# Altium PCB VJ111.PcbDoc
Units mm, origin at the board's own origin, x right, y up, seen from the top; angles counter-clockwise.
Board outline 100 x 22 mm, 2 copper layers (Top Layer, Bottom Layer); 30 components, 28 nets, 168 pads, 30 vias.
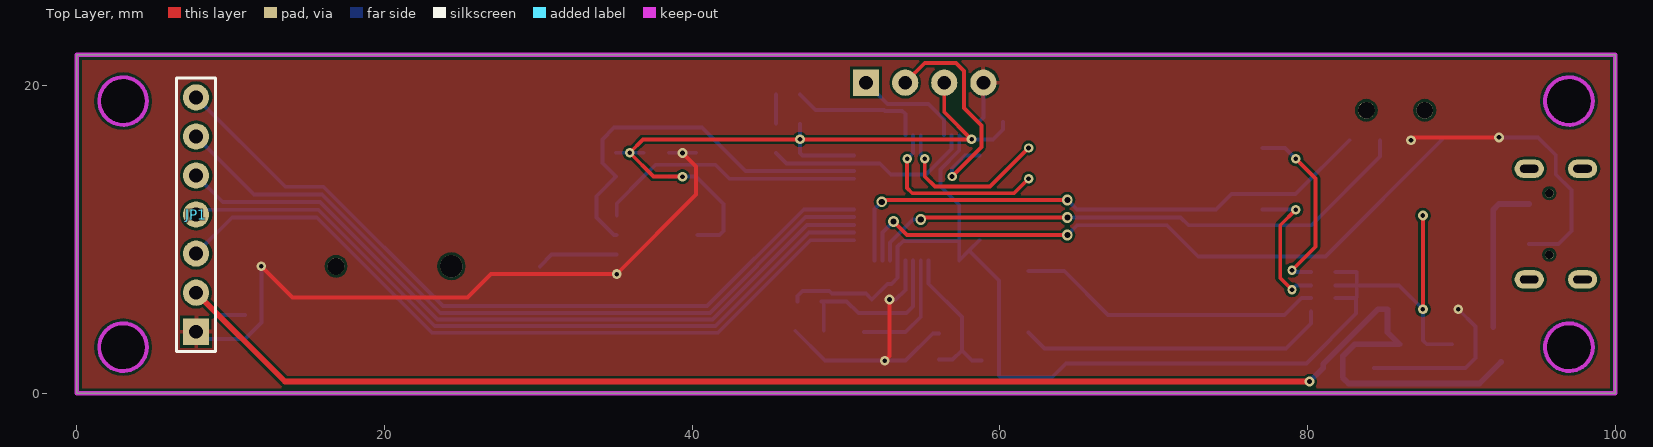
[diagram p0: Top Layer view]
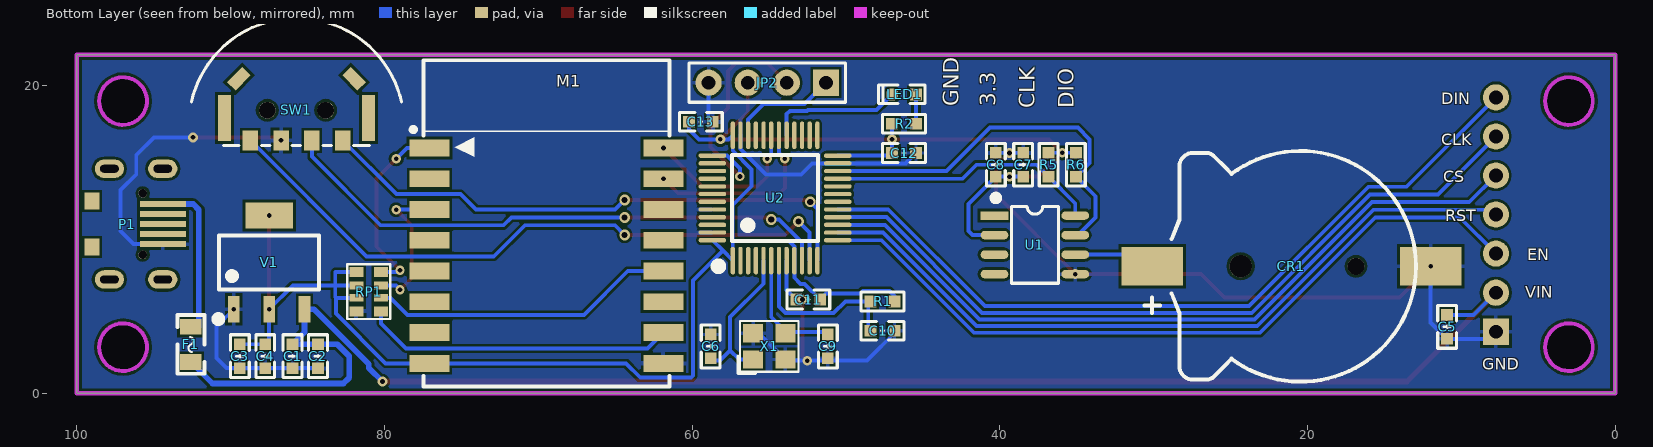
[diagram p1: Bottom Layer view, seen from below]

## Layer stack, top to bottom
Top Solder: solder mask 0.0102, Solder Resist, Dk 3.5
Top Layer: signal copper 0.0356
Dielectric 1: dielectric 0.32, FR-4, Dk 4.8
Bottom Layer: signal copper 0.0356
Bottom Solder: solder mask 0.0102, Solder Resist, Dk 3.5

## Board outline
0,0 100,0 100,22 0,22

## Design rules (kind name [scope] priority, off if disabled: settings)
Clearance [All] p1: gap=0.178 ignorepadtopadclearanceinfootprint=FALSE except(0: Arc-Hole Track-Hole SMDPad-Hole THPad-Hole Via-Hole Fill-Hole Poly-Hole Region-Hole Text-Hole)
DiffPairsRouting [All] p1: maxlimit=0.254 minlimit=0.254 mostfreqgap=0.254 toplayer_minwidth=0.254 toplayer_maxwidth=0.381 toplayer_prefwidth=0.381 bottomlayer_minwidth=0.254 bottomlayer_maxwidth=0.381 bottomlayer_prefwidth=0.381 maxuncoupledlength=12.7
PolygonConnect PolygonConnect_2 [(InComponentClass('All Components'))] p1: connectstyle=Relief reliefconductorwidth=0.254 reliefentries=4 polygonreliefangle="90 Angle" airgapwidth=0.178
PolygonConnect PolygonConnect_1 [All] p2: connectstyle=Direct reliefconductorwidth=0.254 reliefentries=4 polygonreliefangle="90 Angle" airgapwidth=0.254
PolygonConnect [All] p3: connectstyle=Relief reliefconductorwidth=0.254 reliefentries=4 polygonreliefangle="90 Angle" airgapwidth=0.254
RoutingVias [All] p1: holewidth=0.3 width=0.6 viastyle="Through Hole" minholewidth=0.3 minwidth=0.6 maxholewidth=0.4 maxwidth=0.7
SolderMaskExpansion [All] p1: expansion=0.102
Width [All] p1: maxlimit=1.27 minlimit=0.254 preferedwidth=0.254
29 further rules are at their usual default settings.

## Components (designator, comment, footprint, x,y, rotation, side; value= is the part's Value field where it differs from the comment)
C1 "0.1uf" "C 0603_L" 85.979,2.413 r90 bottom
C2 "10uf" "C 0603_L" 84.328,2.413 r90 bottom
C3 "0.1uf" "C 0603_L" 89.408,2.413 r90 bottom
C4 "10uf" "C 0603_L" 87.757,2.413 r90 bottom
C5 "0.1uf" "C 0603_L" 10.922,4.318 r270 bottom
C6 "22pF" "C 0603_L" 58.801,3.048 r270 bottom
C7 "0.1uf" "C 0603_L" 38.481,14.859 r270 bottom
C8 "10uf" "C 0603_L" 40.259,14.859 r270 bottom
C9 "22pF" "C 0603_L" 51.181,3.048 r90 bottom
C10 "1uf" "C 0603_L" 47.625,4.064 r0 bottom
C11 "0.1uf" "C 0603_L" 52.451,6.096 r180 bottom
C12 "0.1uf" "C 0603_L" 46.228,15.621 r0 bottom
C13 "0.1uf" "C 0603_L" 59.436,17.653 r0 bottom
CR1 "1220" CR1220_A 20.447,8.255 r0 bottom
F1 "6V 0.5A" "FU 0805" 92.583,3.175 r270 bottom
JP1 "HDR-1X7" HDR2.54-LI-7P 7.75,11.62 r90 top
JP2 "HDR-1X4" HDR2.54-LI-4P 55.118,20.193 r0 bottom
LED1 "冰蓝" "LED 0603B" 46.228,19.431 r0 bottom
M1 "ESP8266-07" ESP-07 69.469,11.049 r180 bottom
P1 "microUSB" microUSB 94.666,11 r270 bottom
R1 "10K" "R 0603_L" 47.625,5.969 r180 bottom
R2 "1K" "R 0603_L" 46.228,17.526 r0 bottom
R5 "10K" "R 0603_L" 36.83,14.859 r90 bottom
R6 "10K" "R 0603_L" 35.052,14.859 r90 bottom
RP1 "4.7K" RCA-8P4R-0603 81.026,6.604 r270 bottom
SW1 "SLLB5" SLLB510100 85.725,17.399 r180 bottom
U1 "DS3231M+" SOP8_N 37.719,9.652 r180 bottom
U2 "STM32F103C8" "LQFP48 7X7_N" 54.61,12.7 r180 bottom
V1 "AMS1117-3V3" SOT223_L 87.503,8.509 r180 bottom
X1 "8M" "OSC 3225-4P" 54.991,3.048 r180 bottom

## Footprints (in the part's own frame and the unit in brackets; to place one, negate y for a bottom-side part, rotate by r counter-clockwise, add the part's x,y. Pads: shape width x height; smd on the part's side, far side on the other; paste and mask are expansions set on the pad)
"C 0603_L" [mil] "无极性贴片电容"
  rect 30x30 smd: 1(-30.59,0) 2(30.59,0)
  silkscreen extent -55,-24 55,24, body extent -31,-16 31,16, height 32
CR1220_A [mm] "纽扣电池座"
  round 1.1 hole 1.1: 0(-3.6,0)
  round 1.45 hole 1.45: 0(3.9,0)
  rect 4x2.5 smd: 1(9.652,0) 2(-8.458,0)
  silkscreen extent -7.5,-7.5 10.16,7.5, body extent -9.42,-7.45 10.34,7.45, height 4.05
ESP-07 [mm] "ESP-07"
  rect 2.6x1.1 smd: 1(-7.6,4.9) 2(-7.6,2.9) 3(-7.6,0.9) 4(-7.6,-1.1) 5(-7.6,-3.1) 6(-7.6,-5.1) 7(-7.6,-7.1) 8(-7.6,-9.1) 9(7.6,-9.1) 10(7.6,-7.1) 11(7.6,-5.1) 12(7.6,-3.1) 13(7.6,-1.1) 14(7.6,0.9) 15(7.6,2.9) 16(7.6,4.9)
  silkscreen extent -8.81,-10.6 8,10.6, body extent -8.01,-10.6 8.01,10.6, height 3.3
"FU 0805" [mil] "贴片保险丝"
  rect 40x55 smd: 1(-45,0) 2(45,0)
  silkscreen extent -75,-35 75,35, body extent -39,-24 39,24, height 20
HDR2.54-LI-4P [mm] "排针，4脚"
  rect 1.7x1.7 hole 0.9: 1(-3.81,0)
  round 1.7 hole 0.9: 2(-1.27,0) 3(1.27,0) 4(3.81,0)
  silkscreen extent -5.08,-1.27 5.08,1.27, body extent -5.08,-1.27 5.08,1.27, height 8.5
HDR2.54-LI-7P [mm] "排针，8脚"
  rect 1.7x1.7 hole 0.9: 1(-7.62,0)
  round 1.7 hole 0.9: 2(-5.08,0) 3(-2.54,0) 4(0,0) 5(2.54,0) 6(5.08,0) 7(7.62,0)
  silkscreen extent -8.89,-1.27 8.89,1.27, body extent -8.89,-1.27 8.89,1.27, height 8.5
"LED 0603B" [mil] "蓝色0603LED"
  rect 30x30 smd: 1(-30.59,0)
  oct 30x30 smd: 2(30.59,0)
  silkscreen extent -54,-24 65,24, body extent -31,-16 31,16, height 24
"LQFP48 7X7_N" [mm] "48脚，体宽7x7mm，脚距0.5mm"
  oval 0.279x1.8 smd: 1(-2.75,-4.075) 2(-2.25,-4.075) 3(-1.75,-4.075) 4(-1.25,-4.075) 5(-0.75,-4.075) 6(-0.25,-4.075) 7(0.25,-4.075) 8(0.75,-4.075) 9(1.25,-4.075) 10(1.75,-4.075) 11(2.25,-4.075) 12(2.75,-4.075) 25(2.75,4.075) 26(2.25,4.075) 27(1.75,4.075) 28(1.25,4.075) 29(0.75,4.075) 30(0.25,4.075) 31(-0.25,4.075) 32(-0.75,4.075) 33(-1.25,4.075) 34(-1.75,4.075) 35(-2.25,4.075) 36(-2.75,4.075)
  oval 1.8x0.279 smd: 13(4.075,-2.75) 14(4.075,-2.25) 15(4.075,-1.75) 16(4.075,-1.25) 17(4.075,-0.75) 18(4.075,-0.25) 19(4.075,0.25) 20(4.075,0.75) 21(4.075,1.25) 22(4.075,1.75) 23(4.075,2.25) 24(4.075,2.75) 37(-4.075,2.75) 38(-4.075,2.25) 39(-4.075,1.75) 40(-4.075,1.25) 41(-4.075,0.75) 42(-4.075,0.25) 43(-4.075,-0.25) 44(-4.075,-0.75) 45(-4.075,-1.25) 46(-4.075,-1.75) 47(-4.075,-2.25) 48(-4.075,-2.75)
  silkscreen extent -3.93,-4.69 2.79,2.79, body extent -4.5,-4.5 4.5,4.5, height 1.45
microUSB [mm] "四脚插 7.2有柱 长针 有卷边"
  oval 1.2x1.9 hole 0.5 slot 1.2 at 90 deg: 0(-3.6,-3.22) 0(-3.6,0.25) 0(3.6,-3.22) 0(3.6,0.25)
  round 0.55 hole 0.55: 0(-2,-1.06) 0(2,-1.06)
  rect 1.1x1 smd: 0(-1.5,-4.35) 0(1.5,-4.35)
  rect 0.4x3 smd: 1(-1.3,0.254) 2(-0.65,0.254) 3(0,0.254) 4(0.65,0.254) 5(1.3,0.254)
  body extent -3.99,-5.98 3.99,0.72, height 2.79
"OSC 3225-4P" [mm] "3.2*2.5*0.7mm(长宽高)"
  rect 1.3x1.2 smd: 1(-1.05,-0.85) 2(1.05,-0.85) 3(1.05,0.85) 4(-1.05,0.85)
  silkscreen extent -2.03,-1.75 1.91,1.65, body extent -1.6,-1.25 1.6,1.25, height 0.7
"R 0603_L" [mil] "1/10W贴片电阻"
  rect 30x30 smd: 1(-30.59,0) 2(30.59,0)
  silkscreen extent -55,-24 55,24, body extent -31,-16 31,16, height 16
RCA-8P4R-0603 [mm] "3.2mm*1.6mm*0.6mm(长*宽*厚)"
  rect 0.65x0.9 smd: 1(-1.28,-0.8) 4(1.28,-0.8) 5(1.28,0.8) 8(-1.28,0.8)
  rect 0.5x0.9 smd: 2(-0.4,-0.8) 3(0.4,-0.8) 6(0.4,0.8) 7(-0.4,0.8)
  silkscreen extent -1.78,-1.4 1.78,1.4, body extent -1.6,-0.8 1.6,0.8, height 0.6
SLLB510100 [mm]
  rect 0.85x3 smd: 0(-4.675,0.5) 0(4.675,0.5)
  rect 0.8x1.4 smd rot 135: 0(-3.75,3.05)
  round 1.1 hole 1.1 unplated: 0(-1.9,1) 0(1.9,1)
  rect 0.8x1.4 smd rot 45: 0(3.75,3.05)
  rect 1x1.3 smd: 1(-3,-0.95) 2(-1,-0.95) 3(1,-0.95) 4(3,-0.95)
  silkscreen extent -6.83,-1.3 6.83,7, body extent -6.63,-1.4 6.63,7.6, height 2.27
SOP8_N [mm] "5*6*1.8mm（长宽高）"
  rect 1.8x0.55 smd: 1(-2.625,1.905)
  oval 1.8x0.55 smd: 2(-2.625,0.635) 3(-2.625,-0.635) 4(-2.625,-1.905) 5(2.625,-1.905) 6(2.625,-0.635) 7(2.625,0.635) 8(2.625,1.905)
  silkscreen extent -2.69,-2.5 1.52,3.2, body extent -3,-2.5 3,2.5, height 1.9
SOT223_L [mm] "6.4x7x1.6mm(长宽高)"
  rect 0.75x1.7 smd: 1(-2.3,-3.048) 2(0,-3.048) 3(2.3,-3.048)
  rect 3.1x1.7 smd: 2(0,3.048)
  silkscreen extent -3.5,-3.88 3.25,1.75, body extent -3.25,-3.51 3.25,3.51, height 1.65

## Part data
C1 C2 C3 C4 C5 C6 C7 C8 C9 C10 C11 C12 C13: library part C, "无极性贴片电容"
CR1: library part CR-3V, "微型电池"
F1: library part FU, "贴片保险丝"
JP1: library part "Header 7", "7P接插件"
JP2: library part "Header 4", "4P接插件"
LED1: library part LED-SMD, "贴片LED"
M1: "串口 WIFI模块，ESP-07"
R1 R2 R5 R6: library part R, "贴片电阻"
RP1: library part R-8P4R, "贴片网络排阻"
SW1: "操作杆和按动操作型开关"
U2: "Flaah:64/RAM:20/IO:36"
V1: library part AMS1117, "三端稳压芯片"
X1: library part XTAL-4P, "4脚无源晶振"

## Free pads (board coordinates)
  round 3 hole 3 unplated: 0(3,3) 0(3,19) 0(97,3) 0(97,19)

## Via types
v1: diameter 0.635, hole 0.305, Top Layer to Bottom Layer, tented both sides, 15 vias
v2: diameter 0.61, hole 0.305, Top Layer to Bottom Layer, tented both sides, 9 vias
v3: diameter 0.7, hole 0.4, Top Layer to Bottom Layer, tented both sides, 6 vias

## Nets (pads, with @x,y where several pads share a name; then routed paths per layer and width w, separated by ;. In a path a pad name is that pad's centre, name@x,y a point inside that pad or via, vN(x,y) a via of type N, cw(c..) or ccw(c..) an arc to the next point about the centre after c; other vN are vias at no path point)
3.3: C3.2 C4.2 C7.2 C8.2 C11.2 C12.2 C13.2 JP2.3 M1.8 R1.2 R2.2 R5.2 R6.2 RP1.1 RP1.2 RP1.3 U1.2 U2.1 U2.9 U2.24 U2.36 U2.48 V1.2 | length 130.8
  Top Layer w0.254: v1(39.37,14.082) 37.495,14.082 v1(35.941,15.636) 36.815,16.51 v1(47.005,16.51) v1(58.166,16.51) 56.388,18.288 JP2.3 ; v1(87.503,5.461) v1(87.503,11.557)
  Bottom Layer w0.254: R6.2 v1(35.941,15.636) R5.2 ; C7.2 v1(39.37,14.082) C8.2 42.037,12.304 42.037,10.541 41.783,10.287 U1.2 ; R1.2 46.848,6.335 47.168,6.655 48.909,6.655 49.087,6.477 51.293,6.477 C11.2 52.69,7.112 52.959,7.112 53.36,7.513 U2.9 53.36,9.545 53.721,9.906 57.36,9.906 ; R2.2 v1(47.005,16.51) C12.2 47.176,15.45 U2.24 ; U2.48 58.006,9.271 ; C13.2 60.213,17.16 59.563,16.51 v1(58.166,16.51) 57.625,16.51 U2.36 57.36,15.776 56.134,14.55 56.134,13.462 57.36,12.236 57.36,9.906 ; RP1.3 83.166,6.204 ; RP1.2 83.204,7.004 ; RP1.1 83.175,7.884 83.204,7.855 83.204,7.004 ; C3.2 C4.2 87.503,3.444 v1(87.503,5.461) 85.96,7.004 83.204,7.004 ; 57.36,9.906 U2.1 58.006,9.271 ; 58.006,9.271 59.944,7.333 59.944,1.143 60.071,1.016 63.373,1.016 64.306,1.949 M1.8 79.927,1.949 83.166,5.188 83.166,6.204 ; 83.166,6.204 83.204,6.242 83.204,7.004
8266_EN: M1.3 RP1.7 | length 9.5
  Top Layer w0.254: v2(78.994,6.731) 78.232,7.493 78.232,10.922 v2(79.248,11.938)
  Bottom Layer w0.254: M1.3 77.08,11.938 v2(79.248,11.938) ; v2(78.994,6.731) 79.267,7.004 RP1.7
8266_G0: M1.12 RP1.6 | length 20
  Bottom Layer w0.254: M1.12 64.187,7.949 67.042,5.094 78.495,5.094 79.605,6.204 RP1.6
8266_G15: M1.10 RP1.5 | length 20.2
  Bottom Layer w0.254: M1.10 62.897,2.921 78.613,2.921 80.226,4.534 RP1.5
8266_RST: M1.1 RP1.8 | length 12.1
  Top Layer w0.254: v2(78.994,8.001) 80.518,9.525 80.518,13.97 v2(79.248,15.24)
  Bottom Layer w0.254: M1.1 78.539,15.949 v2(79.248,15.24) ; v2(78.994,8.001) 79.111,7.884 RP1.8
8266_RX: M1.15 U2.30 | length 12
  Top Layer w0.254: v2(53.975,15.24) 53.975,13.335 54.305,13.005 60.925,13.005 v2(61.869,13.949)
  Bottom Layer w0.254: v2(53.975,15.24) 54.36,15.625 U2.30
8266_TX: M1.16 U2.31 | length 10.9
  Top Layer w0.254: v2(55.118,15.24) 55.118,14.097 55.778,13.437 59.357,13.437 v2(61.869,15.949)
  Bottom Layer w0.254: U2.31 54.86,15.498 v2(55.118,15.24)
CCW: SW1.1 U2.11 | length 43.3
  Top Layer w0.254: v3(53.086,11.176) 53.964,10.298 v3(64.389,10.298) v3@64.231,10.14
  Bottom Layer w0.254: U2.11 52.36,10.45 v3(53.086,11.176) ; v3(64.389,10.298) 65.013,10.922 70.866,10.922 72.898,8.89 81.166,8.89 SW1.1
CLK: JP1.6 U2.16 | length 50.1
  Bottom Layer w0.254: JP1.6 11.52,12.93 15.923,12.93 23.621,5.232 41.149,5.232 47.367,11.45 U2.16
CS: JP1.5 U2.15 | length 49.2
  Bottom Layer w0.254: JP1.5 9.48,12.43 15.813,12.43 23.442,4.801 41.328,4.801 47.477,10.95 U2.15
CW: SW1.4 U2.12 | length 36.9
  Top Layer w0.254: v3(52.324,12.446) 52.451,12.573 v3(64.389,12.573) v3@64.262,12.446
  Bottom Layer w0.254: U2.12 51.86,11.982 v3(52.324,12.446) ; v3(64.389,12.573) 65.024,11.938 74.041,11.938 75.057,12.954 79.23,12.954 SW1.4 ; v3@64.389,12.7 v3@64.453,12.636
DIN: JP1.7 U2.17 | length 51
  Bottom Layer w0.254: JP1.7 13.56,13.43 16.034,13.43 23.8,5.664 40.97,5.664 47.256,11.95 U2.17
EN: JP1.3 U2.13 | length 49.4
  Bottom Layer w0.254: JP1.3 10.1,11.43 15.591,11.43 23.084,3.937 41.686,3.937 47.699,9.95 U2.13
GND: C1.1 C2.1 C3.1 C4.1 C5.2 C6.1 C7.1 C8.1 C9.1 C10.1 C11.1 C12.1 C13.1 CR1.2 JP1.1 JP2.4 M1.9 P1.5 RP1.4 SW1.2 U1.5 U2.8 U2.23 U2.35 U2.44 U2.47 V1.1 X1.2 X1.4 | length 108.6
  Top Layer w0.254: v1(11.989,8.255) 14.021,6.223 25.4,6.223 26.924,7.747 v1(35.094,7.747) 40.259,12.912 40.259,14.732 v1(39.37,15.621) ; v1(52.522,2.121) 52.832,2.43 v1(52.832,6.096) ; v1(86.725,16.449) 86.913,16.637 v1(92.456,16.637) ; v1(89.803,5.461) v1@89.834,5.461
  Bottom Layer w0.254: JP1.1 8.209,3.541 C5.2 11.989,4.608 v1(11.989,8.255) ; C7.1 C8.1 ; C12.1 46.137,14.935 52.197,14.935 52.908,14.224 55.198,14.224 56.86,15.886 U2.35 ; C10.1@46.698,4.064 48.641,2.121 v1(52.522,2.121) 53.864,2.121 X1.2 55.641,3.898 X1.4 ; v1(52.832,6.096) C11.1 53.86,6.728 U2.8 ; C13.1 58.928,17.922 JP2.4 ; C2.1 C1.1 C4.1 C3.1 90.282,1.636 90.932,2.286 90.932,4.332 v1(89.803,5.461) ; v1(92.456,16.637) 94.996,16.637 96.139,15.494 96.139,14.224 97.155,13.208 97.155,10.541 96.314,9.7 P1.5
NetCR1_1: CR1.1 U1.6 | length 5.3
  Bottom Layer w0.254: CR1.1 30.861,9.017 U1.6
NetLED1_1: LED1.1 R2.1 | length 1.9
  Bottom Layer w0.254: R2.1 LED1.1
NetLED1_2: LED1.2 U2.29 | length 8.8
  Bottom Layer w0.254: LED1.2 48.021,18.415 52.475,18.415 52.526,18.364 53.645,18.364 53.86,18.149 U2.29
NRST: C10.2 R1.1 U2.7 | length 11.4
  Bottom Layer w0.254: C10.2@48.552,4.064 48.552,5.819 R1.1 50.038,5.969 50.8,5.207 53.92,5.207 54.36,5.647 U2.7
OSC_IN: C6.2 U2.5 X1.1 | length 10
  Bottom Layer w0.254: U2.5 55.36,7.124 57.531,4.953 57.531,2.794 ; X1.1 56.935,2.198 57.531,2.794 ; C6.2@58.801,2.121 58.204,2.121 57.531,2.794
OSC_OUT: C9.2 U2.6 X1.3 | length 9.2
  Bottom Layer w0.254: C9.2@51.181,3.975 X1.3@53.864,3.975 ; U2.6 54.86,4.971 ; X1.3@53.864,3.975 54.86,4.971 ; X1.3@53.864,3.975 54.86,4.971
PUSH: SW1.3 U2.10 | length 37
  Top Layer w0.254: v3(54.864,11.303) 54.991,11.43 v3(64.389,11.43) v3@64.262,11.303
  Bottom Layer w0.254: U2.10 52.86,9.807 54.356,11.303 v3(54.864,11.303) ; v3(64.389,11.43) 71.755,11.43 72.263,10.922 80.264,10.922 84.725,15.383 SW1.3
RST: JP1.4 U2.14 | length 48.6
  Bottom Layer w0.254: JP1.4 8.06,11.93 15.702,11.93 23.263,4.369 41.507,4.369 47.588,10.45 U2.14
SCL: R5.1 U1.8 U2.21 | length 17.6
  Bottom Layer w0.254: U1.8 35.094,12.346 R5.1 37.607,14.859 41.529,14.859 42.438,13.95 U2.21
SDA: R6.1 U1.7 U2.22 | length 25.6
  Bottom Layer w0.254: U1.7 34.919,10.287 33.782,11.424 33.782,12.812 R6.1 34.163,14.971 34.163,16.51 34.925,17.272 40.64,17.272 43.462,14.45 U2.22
SWCLK: JP2.2 U2.37 | length 15.3
  Top Layer w0.254: JP2.2 55.118,21.463 57.15,21.463 57.658,20.955 57.658,18.542 58.801,17.399 58.801,16.002 v2(56.896,14.097)
  Bottom Layer w0.254: v2(56.896,14.097) 56.896,14.605 57.741,15.45 U2.37
SWDIO: JP2.1 U2.34 | length 7.1
  Bottom Layer w0.254: JP2.1 52.705,18.796 55.372,18.796 56.36,17.808 U2.34
VIN: C1.2 C2.2 C5.1 F1.2 JP1.2 V1.3 | length 104.7
  Top Layer w0.381: JP1.2 13.528,0.762 v1(80.137,0.762)
  Bottom Layer w0.254: JP1.2 9.195,5.095 C5.1
  Bottom Layer w0.381: v1(80.137,0.762) 81.026,1.651 81.026,1.905 84.582,5.461 V1.3 85.203,3.966 C1.2 C2.2 83.073,3.19 82.296,2.413 82.296,1.016 82.677,0.635 91.186,0.635 F1.2
VIN-F: F1.1 P1.1 | length 10.1
  Bottom Layer w0.381: F1.1@92.075,4.318 92.075,11.938 92.437,12.3 P1.1
pads on no net: CR1.0 M1.2 M1.4 M1.5 M1.6 M1.7 M1.11 M1.13 M1.14 P1.0 P1.2 P1.3 P1.4 SW1.0 U1.1 U1.3 U1.4 U2.2 U2.3 U2.4 U2.18 U2.19 U2.20 U2.25 U2.26 U2.27 U2.28 U2.32 U2.33 U2.38 U2.39 U2.40 U2.41 U2.42 U2.43 U2.45 U2.46

## Polygon pours and split planes (outlines as drawn)
GND on Top Layer "Top Layer-No Net" (solid, pour order 4): 100,22 100,0 0.127,0 0,0.127 0,21.844
GND on Bottom Layer "Top Layer-No Net" (solid, pour order 3): 100,22 100,0 0.127,0 0,0.127 0,21.844

## Keep-outs
Keep-Out Layer:
  circle w0.254: c3,3 r1.55
  circle w0.254: c3,19 r1.55
  circle w0.254: c97,19 r1.55
  circle w0.254: c97,3 r1.55
  lines w0.3: 7.75,0 0,0 ; 0,0 100,0 100,22 0,22 0,0

## Silkscreen, mask and mechanical layers (free items; w line width, h text height)
Bottom Overlay:
  text "DIN" at 11.303,18.796 h0.76
  text "3.3" at 40.259,18.669 h1.02 r270
  text "GND" at 42.672,18.669 h1.02 r270
  text "DIO" at 35.179,18.542 h1.02 r270
  text "CLK" at 37.719,18.542 h1.02 r270
  text "CLK" at 11.303,16.129 h0.76
  text "CS" at 11.176,13.716 h0.76
  text "RST" at 11.049,11.176 h0.76
  text "EN" at 5.715,8.636 h0.76
  text "VIN" at 5.842,6.223 h0.76
  text "GND" at 8.636,1.524 h0.76
Top Solder:
  text "VFD Clock with WiFi Calc" at 11.557,19.05 h1.06
  text "Designed by Vanilla Lab & GIE Studio" at 11.557,17.272 h1.06
  text "2020-11-5" at 11.557,15.367 h1.06
Bottom Solder:
  text "This side to the front" at 32.258,19.939 h1.02
Mechanical 13:
  text ".Print_Date" at 12.573,-7.747 h1.02
  text ".Print_Time" at 12.573,-11.049 h1.02
Drill Drawing:
  text ".Legend" at 7.747,33.782 h1.02

## Dimensions
0,22 to 100,22 on Keep-Out Layer
0,22 to 0,0 on Keep-Out Layer